# Altium PCB controller.PcbDoc (part 3 of 6) (continued)
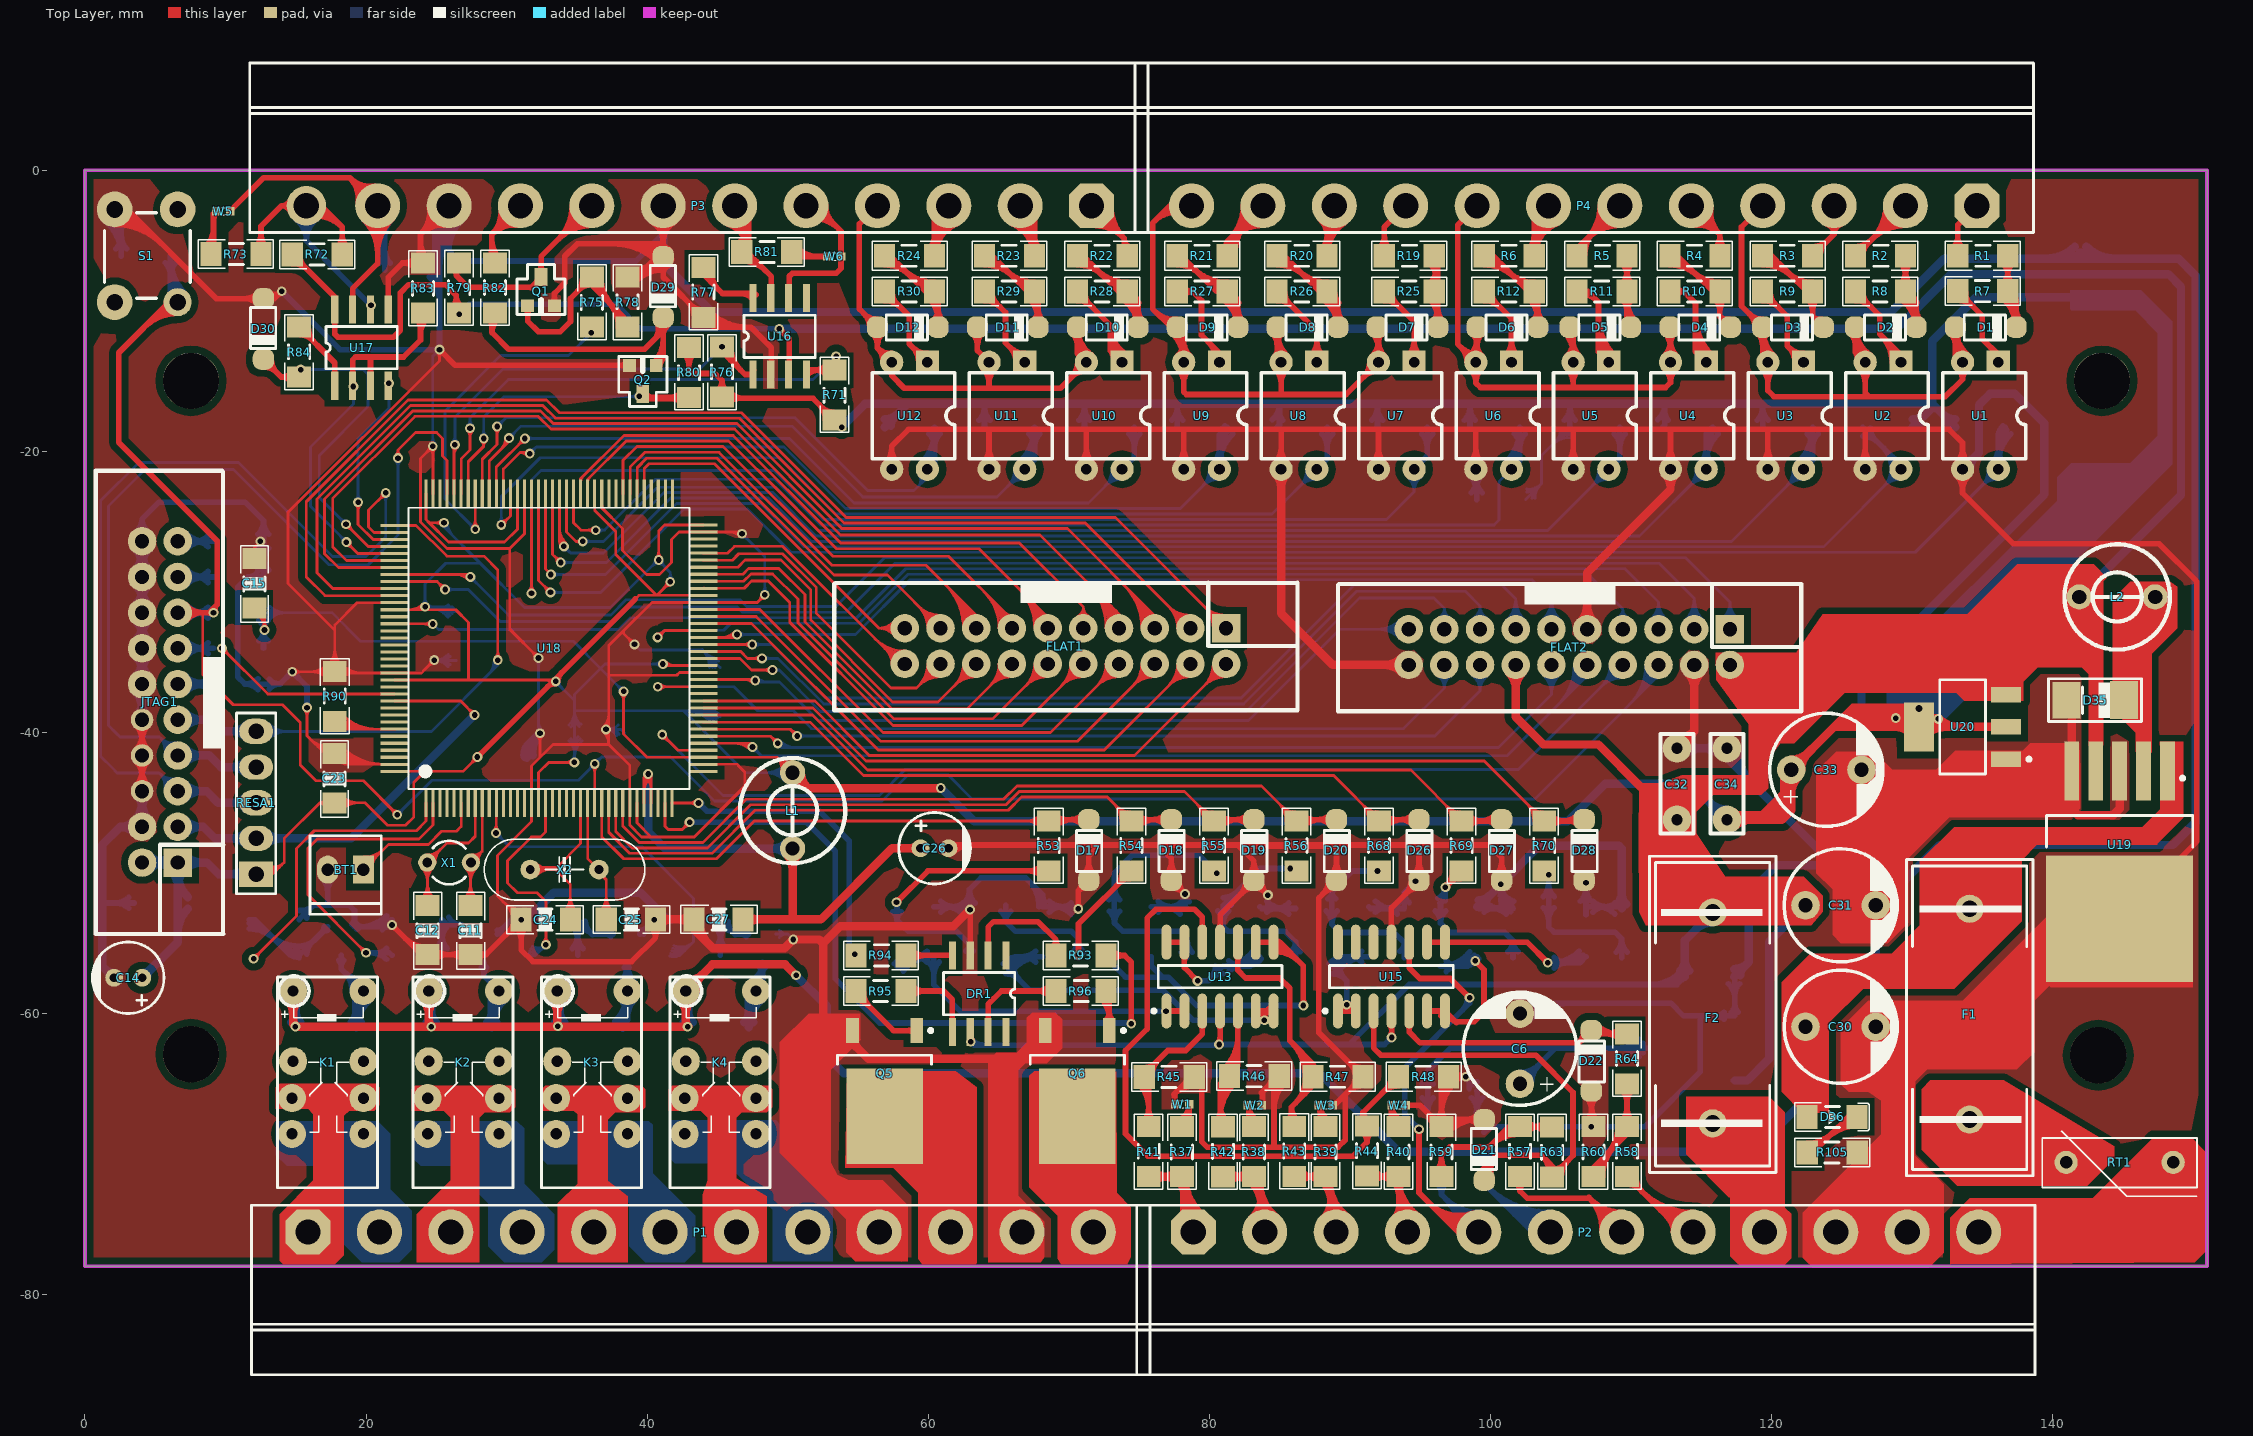
[diagram p0: Top Layer view]
## Nets (pads, with @x,y where several pads share a name; then routed paths per layer and width w, separated by ;. In a path a pad name is that pad's centre, name@x,y a point inside that pad or via, vN(x,y) a via of type N, cw(c..) or ccw(c..) an arc to the next point about the centre after c; other vN are vias at no path point) (continued)
  Top Layer w0.6: C24.2@30.825,-53.129 v1(31.036,-53.34) ; C25.2@40.592,-53.34 40.607,-53.325 C27.1@43.325,-53.325 43.417,-53.417 43.417,-54.117 44.675,-55.375 49.775,-55.375 v1(50.4,-54.75) 52.25,-54.75 52.525,-55.025 ; C25.2@40.91,-53.658 cw(c41.715,-54.463) 41.715,-53.325 ; C25.2@40.91,-53.022 ccw(c41.642,-52.29) 41.642,-53.325 ; C27.1@43.007,-53.643 ccw(c42.239,-54.411) 42.239,-53.325 ccw(c42.239,-52.239) C27.1@43.007,-53.007 ; C27.1@43.774,-53.458 ccw(c45.84,-53.61) 44.375,-55.075 ; 52.525,-60.725 52.525,-55.025 ; 54.15,-61.65 54.174,-61.674 55.725,-63.225 66.339,-63.225 Q6.3@68.332,-61.232 ; Q5.3@54.766,-61.882 ccw(c55.693,-61.882) 55.038,-62.538 ; v1(62.975,-52.625) 61.8,-53.8 53.75,-53.8 52.525,-55.025 ; Q6.3@67.998,-61.566 cw(c68.326,-61.894) Q6.3@68.548,-61.487 ; U8.3@84.741,-21.662 cw(c83.844,-22.559) 85.113,-22.559 cw(c86.382,-22.559) U8.3@85.485,-21.662 ; U8.3@85.113,-21.29 85.113,-31.538 88.79,-35.215 FLAT2.20@94.19,-35.215 ; FLAT2.20@93.684,-35.721 ccw(c92.461,-36.944) 92.461,-35.215 ccw(c92.461,-33.486) FLAT2.20@93.684,-34.709 ; FLAT2.9@106.384,-32.169 ccw(c105.161,-30.946) 106.89,-30.946 ccw(c108.619,-30.946) FLAT2.9@107.396,-32.169 ; FLAT2.9@106.89,-32.675 106.89,-28.66 112.822,-22.728 U4.3@112.822,-21.29 ; U4.3@112.451,-21.662 cw(c111.553,-22.559) 112.822,-22.559 cw(c114.091,-22.559) U4.3@113.194,-21.662 ; C32.1@113.284,-41.148 114.51,-39.922 FLAT2.4@114.51,-35.215 ; C32.1@113.284,-40.432 ccw(c113.284,-38.703) 114.506,-39.926 ccw(c115.729,-41.148) C32.1@114,-41.148 ; FLAT2.4@114.004,-35.721 cw(c112.781,-36.944) 114.51,-36.944 cw(c116.239,-36.944) FLAT2.4@115.016,-35.721 ; C33.2@126.412,-42.672 127.428,-43.688 ; C31.2@127.174,-52.324 C31.2@127.428,-52.324 127.428,-43.688 ; C30.2@127.428,-60.96 128.825,-62.357 128.825,-69.175 128.15,-69.85 126.873,-69.85 126.873,-69.9 126.873,-73.279 P2.10@124.587,-75.565 P2.11@129.667,-75.565 ; D35.1@141,-37.725 141.38,-38.105 D35.1@141.38,-38.145 ; U19.5@141.275,-41.924 U20.1@136.704,-41.924 134.601,-41.924 132.08,-44.445 132.08,-45.72 129.46,-45.72 127.428,-43.688 ; D35.1@141.475,-38.05 141.4,-38.125 D35.1@141.38,-38.145 ; U19.3@144.621,-44.51 cw(c144.237,-44.894) 144.78,-44.894 cw(c145.323,-44.894) U19.3@144.939,-44.51 ; U19.3@144.78,-44.394 U19.3@144.78,-42.776 144.78,-45.445 144.325,-45.9 141.8,-45.9 141.38,-45.48 U19.5@141.38,-42.776 D35.1@141.38,-38.145
  Bottom Layer w0.2: 1.225,-52.225 1.3,-52.15 ; v1(12.484,-26.416) R88.2@12.7,-26.416 ; 17.2,-52.3 17.272,-52.228 ; v1@24.573,-19.473 ccw(c24.146,-19.046) 24.75,-19.046 ccw(c25.354,-19.046) v1@24.927,-19.473 ; v1(24.75,-19.65) 24.75,-13.25 v1(25.225,-12.775) ; v1(24.85,-34.875) 24.825,-34.9 v1@24.85,-34.9 ; v1@24.975,-12.775 cw(c24.371,-12.775) 24.798,-13.202 cw(c25.225,-13.629) v1@25.225,-13.025 ; v1@25.027,-35.052 cw(c25.393,-35.418) 25.393,-34.9 ; v1@25.027,-34.698 ccw(c25.514,-34.211) 25.514,-34.9 ; C17.1@25.845,-35.339 ccw(c24.85,-36.248) v1@24.85,-34.9 ; C17.1@25.845,-34.461 cw(c24.85,-33.552) v1@24.85,-34.9 ; C17.1@25.993,-35.204 ccw(c25.304,-35.834) 25.304,-34.9 ccw(c25.304,-33.966) C17.1@25.993,-34.596 ; C17.1@26.425,-34.9 v1@24.85,-34.9 ; v1@32.098,-34.902 cw(c31.671,-35.329) 32.275,-35.329 cw(c32.879,-35.329) v1@32.452,-34.902 ; v1@32.198,-39.898 ccw(c32.013,-39.713) 32.275,-39.713 ccw(c32.737,-39.713) v1@32.41,-40.04 ; 32.275,-39.23 ccw(c33.22,-39.23) v1@32.552,-39.898 ; v1(32.275,-34.725) 32.275,-39.975 v1(32.375,-40.075) ; v1@37.193,-39.8 ccw(c37.193,-38.743) C18.1@37.94,-39.49 ; v1@37.252,-39.977 cw(c37.679,-40.404) 37.679,-39.8 cw(c37.679,-39.196) v1@37.252,-39.623 ; v1@37.406,-39.8 cw(c37.406,-40.473) C18.1@38.002,-40.16 ; C18.1@37.825,-40.253 ccw(c37.075,-40.647) v1(37.075,-39.8) 38.15,-39.8 C18.1@38.4,-40.05 ; v1(39.1,-33.75) 39.5,-34.15 43.95,-34.15 C16.1@45.2,-35.4 ; 43.92,-34.12 cw(c42.639,-35.4) C16.1@44.45,-35.4 ; 44.161,-34.361 ccw(c45.1,-33.422) C16.1@45.1,-34.75 ; 44.261,-34.461 cw(c43.322,-35.4) C16.1@44.65,-35.4 ; C16.1@44.503,-34.703 ccw(c45.1,-34.105) C16.1@45.1,-34.95 ; C16.1@44.603,-34.803 cw(c44.005,-35.4) C16.1@44.85,-35.4 ; v1@46.75,-26.125 cw(c46.75,-26.729) 47.177,-26.302 cw(c47.604,-25.875) v1@47,-25.875 ; v1(46.75,-25.875) 48.375,-27.5 v1(48.375,-30.225) ; v1@48.198,-30.048 ccw(c47.771,-29.621) 48.375,-29.621 ccw(c48.979,-29.621) v1@48.552,-30.048 ; Q10.2@49.149,-54.356 50.006,-54.356 ; Q10.2@49.403,-54.607 cw(c50.006,-55.205) 50.006,-54.356 ; Q10.2@49.403,-54.105 ccw(c50.006,-53.507) 50.006,-54.356 ; v1(50.4,-54.75) 50.006,-54.356 ; C22.1@98.968,-23.393 C22.1@99.025,-23.45
  Bottom Layer w0.4: 1.3,-52.15 C21.1@3.504,-52.15 ; S1.3@1.424,-3.618 cw(c-0.703,-6.129) C13.2@2.588,-6.129 ; S1.3@1.683,-3.313 cw(c0.028,-5.266) C13.2@2.588,-5.266 ; S1.3@1.941,-3.008 cw(c0.759,-4.403) 2.588,-4.403 ; S1.3@2.12,-2.567 2.236,-2.682 2.588,-3.035 C13.2@2.588,-6.096 ; C13.2@2.199,-5.607 ccw(c1.26,-4.668) 2.588,-4.668 ccw(c3.916,-4.668) C13.2@2.977,-5.607 ; 2.588,-4.246 cw(c3.56,-4.246) S1.3@2.873,-3.559 ; C21.1@3.115,-52.539 ccw(c2.176,-53.478) 2.176,-52.15 ccw(c2.176,-50.822) C21.1@3.115,-51.761 ; JTAG1.12@3.487,-35.999 ccw(c2.094,-34.606) 4.064,-34.606 ccw(c6.034,-34.606) JTAG1.12@4.641,-35.999 ; JTAG1.14@3.487,-34.613 cw(c2.094,-36.006) 4.064,-36.006 cw(c6.034,-36.006) JTAG1.14@4.641,-34.613 ; JTAG1.14@3.487,-33.459 ccw(c2.094,-32.066) 4.064,-32.066 ccw(c6.034,-32.066) JTAG1.14@4.641,-33.459 ; JTAG1.16@3.487,-32.073 cw(c2.094,-33.466) 4.064,-33.466 cw(c6.034,-33.466) JTAG1.16@4.641,-32.073 ; JTAG1.16@3.487,-30.919 ccw(c2.094,-29.526) 4.064,-29.526 ccw(c6.034,-29.526) JTAG1.16@4.641,-30.919 ; JTAG1.18@3.487,-29.533 cw(c2.094,-30.926) 4.064,-30.926 cw(c6.034,-30.926) JTAG1.18@4.641,-29.533 ; JTAG1.20@3.592,-25.751 ccw(c2.942,-24.836) 4.064,-24.836 ; JTAG1.12@4.064,-36.576 JTAG1.14@4.064,-34.036 JTAG1.16@4.064,-31.496 JTAG1.18@4.064,-28.956 ; JTAG1.20@4.064,-26.416 4.064,-24.836 ; JTAG1.20@4.536,-25.751 cw(c5.186,-24.836) 4.064,-24.836 ; R87.2@12.261,-29.288 ccw(c11.594,-29.793) 11.594,-28.956 ; R87.2@12.261,-28.624 cw(c11.594,-28.119) 11.594,-28.956 ; R86.2@12.31,-36.964 ccw(c11.376,-37.894) 11.376,-36.576 ; R86.2@12.31,-36.188 cw(c11.376,-35.258) 11.376,-36.576 ; R87.2@12.311,-28.467 ccw(c11.372,-27.528) 12.7,-27.528 ccw(c14.028,-27.528) R87.2@13.089,-28.467 ; R88.2@12.311,-26.905 cw(c11.372,-27.844) 12.7,-27.844 cw(c14.028,-27.844) R88.2@13.089,-26.905 ; R88.2@12.311,-25.927 ccw(c11.372,-24.988) 12.7,-24.988 ccw(c14.028,-24.988) R88.2@13.089,-25.927 ; R88.2@12.378,-26.522 cw(c11.6,-27.3) 12.7,-27.3 ; R88.2@12.378,-26.31 ccw(c11.6,-25.532) 12.7,-25.532 ; R86.2@13.123,-36.928 cw(c13.874,-37.554) 13.874,-36.576 ; R86.2@13.123,-36.224 ccw(c13.874,-35.598) 13.874,-36.576 ; v1@14,-8.775 cw(c14,-9.137) 14.256,-8.881 cw(c14.512,-8.625) v1@14.15,-8.625 ; v1(14,-8.625) 18.15,-12.775 v1(25.225,-12.775) 25.225,-7.112 P3.10@25.225,-3.223 ; v1@14.6,-35.7 cw(c14.238,-35.7) 14.494,-35.956 cw(c14.75,-36.212) 14.75,-35.85 cw(c14.75,-36.212) 15.006,-35.956 cw(c15.262,-35.7) v1@14.9,-35.7 ; R98.1@15.24,-53.34 16.28,-52.3 17.2,-52.3 17.272,-52.3 ; R98.1@15.267,-52.691 ccw(c15.333,-51.353) 16.28,-52.3 ; v1@15.694,-38.144 ccw(c15.438,-37.888) 15.8,-37.888 ccw(c16.162,-37.888) v1@15.906,-38.144 ; R98.1@15.79,-53.24 cw(c16.876,-53.24) 16.108,-52.472 ; v1(15.8,-38.25) 15.8,-36.75 v1(14.75,-35.7) 13.874,-36.576 ; BT1.2@16.883,-50.423 cw(c15.944,-51.362) 17.272,-51.362 cw(c18.6,-51.362) BT1.2@17.661,-50.423 ; BT1.2@17.272,-49.784 17.272,-52.228 17.272,-52.3 ; Q7.2@18.995,-53.666 ccw(c18.556,-53.227) 19.177,-53.227 ccw(c19.798,-53.227) 19.359,-53.666 ccw(c19.798,-53.227) 19.798,-53.848 ccw(c19.798,-54.469) Q7.2@19.359,-54.03 ; Q7.2@19.531,-53.848 ccw(c19.531,-51.127) R100.1@21.455,-53.051 ; 20.497,-53.848 ccw(c20.497,-52.093) R100.1@21.738,-53.334 ; R100.1@21.147,-54.037 cw(c21.625,-54.516) R100.1@21.804,-53.864 ; R100.1@21.17,-53.848 ccw(c21.17,-53.045) R100.1@21.738,-53.613 ; R100.1@21.717,-53.639 cw(c21.336,-53.396) R100.1@21.336,-53.848 ; v1(21.844,-53.719) R100.1@21.844,-53.34 21.655,-53.529 R100.1@21.336,-53.848 ; R74.1@24.503,-7.601 cw(c22.76,-9.344) 25.225,-9.344 ; R74.1@24.786,-7.318 cw(c23.726,-8.378) 25.225,-8.378 ; R74.1@24.786,-6.906 ccw(c23.726,-5.846) 25.225,-5.846 ; R74.1@24.892,-7.223 cw(c29.239,-7.223) P3.10@26.719,-3.681 ; R74.1@24.892,-7.112 P3.10@24.892,-3.556 ; R74.1@24.892,-6.448 cw(c28.688,-6.448) P3.10@26.488,-3.355 ; 24.892,-5.673 cw(c28.136,-5.673) P3.10@26.256,-3.029 ; 24.892,-4.897 cw(c27.585,-4.897) P3.10@26.024,-2.703 ; 24.892,-4.122 cw(c27.033,-4.122) P3.10@25.792,-2.377 ; P3.10@24.918,-3.53 cw(c24.177,-4.271) 25.225,-4.271 ; P3.10@24.96,-3.57 cw(c22.967,-5.733) 25.908,-5.733 ; v1@25.119,-12.881 ccw(c24.863,-13.137) 24.863,-12.775 ccw(c24.863,-12.413) 25.119,-12.669 ccw(c24.863,-12.413) 25.225,-12.413 ccw(c25.587,-12.413) v1@25.331,-12.669 ; R74.1@25.225,-7.162 cw(c29.995,-7.162) P3.10@26.835,-3.589 ; R74.1@25.225,-6.275 cw(c29.211,-6.275) P3.10@26.57,-3.289 ; 25.225,-5.387 cw(c28.426,-5.387) P3.10@26.305,-2.989 ; 25.225,-4.88 cw(c22.76,-4.88) 24.503,-6.623 ccw(c23.564,-5.684) 24.892,-5.684 ccw(c26.22,-5.684) R74.1@25.281,-6.623 ; 25.225,-4.5 cw(c27.641,-4.5) P3.10@26.04,-2.69 ; P3.10@25.231,-3.276 cw(c23.807,-4.821) 25.908,-4.821 cw(c28.009,-4.821) P3.10@26.585,-3.276 ; P3.10@25.908,-2.54 25.908,-5.733 ; P3.10@26.856,-3.57 ccw(c28.849,-5.733) 25.908,-5.733 ; Q8.2@29.337,-54.356 30.353,-53.34 ; Q8.2@29.337,-54.099 ccw(c29.337,-53.478) 29.776,-53.917 ccw(c30.215,-54.356) Q8.2@29.594,-54.356 ; R102.1@31.066,-53.683 ccw(c30.353,-54.253) 30.353,-53.34 ; R102.1@31.066,-52.997 cw(c30.353,-52.427) 30.353,-53.34 ; R102.1@31.496,-53.34 v1(31.036,-53.34) 30.353,-53.34 ; R102.1@31.496,-52.69 ccw(c31.496,-51.121) 32.606,-52.23 ; R102.1@32.046,-53.24 cw(c33.132,-53.24) 32.364,-52.472 ; Q9.2@39.497,-54.356 v1(40.513,-53.34) ; Q9.2@39.497,-54.099 ccw(c39.497,-53.478) 39.936,-53.917 ccw(c40.375,-54.356) Q9.2@39.754,-54.356 ; 41.148,-4.527 39.2,-6.475 26.65,-6.475 25.908,-5.733 ; R104.1@41.226,-53.683 ccw(c40.513,-54.253) v1(40.513,-53.34) ; R104.1@41.226,-52.997 cw(c40.513,-52.427) v1(40.513,-53.34) ; R104.1@41.45,-53.34 v1(40.513,-53.34) ; R49.1@60.402,-52.411 62.803,-52.411 C1.2@62.939,-52.547 ; R49.1@60.891,-52.8 cw(c61.83,-53.739) 61.83,-52.411 cw(c61.83,-51.084) R49.1@60.891,-52.022 ; R49.1@61.183,-52.411 cw(c61.183,-54.204) C1.2@62.45,-52.936 ; 61.84,-52.411 ccw(c61.84,-51.548) C1.2@62.45,-52.158 ; C1.2@62.097,-52.411 cw(c62.097,-53.503) C1.2@62.869,-52.731 ; C1.2@62.55,-52.158 ccw(c61.612,-51.22) 62.939,-51.22 ccw(c64.267,-51.22) C1.2@63.328,-52.158 ; C1.2@62.939,-52.177 ccw(c63.423,-52.177) C1.2@63.081,-52.519 ; C1.2@62.996,-52.604 C1.2@62.939,-52.547 ; 67.142,-50.567 cw(c65.343,-52.366) R50.1@67.887,-52.409 ; 67.809,-51.234 cw(c66.655,-52.388) R50.1@68.287,-52.416 ; R50.1@68.626,-52.8 cw(c69.565,-53.739) 69.565,-52.411 cw(c69.565,-51.084) R50.1@68.626,-52.022 ; R50.1@68.918,-52.411 cw(c68.918,-54.204) C2.2@70.185,-52.936 ; 69.575,-52.411 ccw(c69.575,-51.548) C2.2@70.185,-52.158 ; C2.2@69.918,-52.411 cw(c69.918,-53.332) C2.2@70.569,-52.681 ; C2.2@70.674,-52.547 70.538,-52.411 R50.1@68.137,-52.411 68.137,-51.562 66.95,-50.375 63.75,-50.375 62.939,-51.186 C1.2@62.939,-52.547 ; R51.1@75.871,-52.411 C3.2@78.273,-52.411 ; R51.1@76.36,-52.8 cw(c77.299,-53.739) 77.299,-52.411 cw(c77.299,-51.084) R51.1@76.36,-52.022 ; R51.1@76.652,-52.411 cw(c76.652,-54.204) C3.2@77.92,-52.936 ; 77.309,-52.411 ccw(c77.309,-51.548) C3.2@77.92,-52.158 ; C3.2@77.978,-52.108 ccw(c77.535,-51.518) v1(78.273,-51.518) ; v1@78.167,-51.624 cw(c77.91,-51.88) 78.273,-51.88 cw(c78.635,-51.88) v1@78.379,-51.624 ; C3.2@78.409,-52.547 C3.2@78.273,-52.411 ; C3.2@78.589,-52.075 cw(c78.92,-51.518) v1(78.273,-51.518) ; R52.1@83.606,-52.411 83.742,-52.547 R52.1@84.175,-52.547 ; R52.1@84.069,-51.703 cw(c83.813,-51.959) 84.175,-51.959 cw(c84.537,-51.959) R52.1@84.281,-51.703 ; R52.1@84.095,-52.8 cw(c84.705,-53.411) 84.705,-52.547 ; R52.1@84.095,-52.022 ccw(c85.362,-50.755) C4.2@85.362,-52.547 ; v1(84.175,-51.597) 84.175,-52.411 R52.1@84.175,-52.547 ; C4.2@85.654,-52.936 ccw(c84.715,-53.875) 84.715,-52.547 ccw(c84.715,-51.22) C4.2@85.654,-52.158 ; C4.2@86.143,-52.547 R52.1@84.175,-52.547 ; R65.1@91.341,-52.411 91.477,-52.547 C8.2@93.878,-52.547 93.878,-51.397 ; R65.1@91.829,-52.8 cw(c92.44,-53.411) 92.44,-52.547 ; R65.1@91.829,-52.022 ccw(c93.097,-50.755) C8.2@93.097,-52.547 ; C8.2@93.389,-52.936 ccw(c92.45,-53.875) 92.45,-52.547 ccw(c92.45,-51.22) C8.2@93.389,-52.158 ; C8.2@93.533,-52.119 ccw(c92.95,-51.397) 93.878,-51.397 ; C8.2@94.223,-52.119 cw(c94.805,-51.397) 93.878,-51.397 ; v1@94.525,-50.6 cw(c94.163,-50.6) 94.419,-50.856 cw(c94.675,-51.112) v1@94.675,-50.75 ; v1(94.675,-50.6) 93.878,-51.397 ; v1@98.201,-64.451 cw(c97.439,-65.213) C5.1@98.507,-65.358 ; v1@98.266,-64.666 cw(c98.266,-65.028) 98.522,-64.772 cw(c98.778,-64.516) v1@98.416,-64.516 ; v1(98.266,-64.516) C5.1@98.85,-65.1 ; v1@98.335,-64.585 ccw(c99.052,-63.868) C5.1@99.052,-64.882 ; U6.3@98.525,-21.732 cw(c97.319,-22.939) C22.1@99.025,-22.939 ; C22.1@98.636,-22.961 ccw(c97.697,-22.022) 99.025,-22.022 ccw(c100.353,-22.022) C22.1@99.414,-22.961 ; C5.1@98.663,-66.021 cw(c97.705,-66.979) 99.06,-66.979 ; R62.1@98.671,-67.683 ccw(c97.732,-66.744) 99.06,-66.744 ccw(c100.388,-66.744) R62.1@99.449,-67.683 ; U6.3@98.968,-21.29 99.025,-21.347 C22.1@99.025,-23.45 ; C22.1@99.025,-22.662 cw(c100.339,-22.662) U6.3@99.41,-21.732 ; C5.1@99.052,-65.532 99.06,-65.54 R62.1@99.06,-68.072 v1@107.188,-68.072 ; 99.06,-66.94 cw(c100.36,-66.94) C5.1@99.441,-66.021 ; R66.1@99.075,-52.411 99.211,-52.547 C9.2@101.612,-52.547 100.75,-51.685 v1(100.75,-50.825) ccw(c101.986,-50.825) C9.2@101.658,-52.017 ; R62.1@99.549,-68.461 cw(c100.488,-69.4) 100.488,-68.072 cw(c100.488,-66.744) R62.1@99.549,-67.683 ; R66.1@99.564,-52.8 cw(c100.175,-53.411) 100.175,-52.547 ; R66.1@99.564,-52.022 ccw(c100.831,-50.755) C9.2@100.831,-52.547 ; v1@100.644,-50.931 cw(c100.388,-51.187) 100.75,-51.187 cw(c101.112,-51.187) v1@100.856,-50.931 ; 100.7,-51.635 cw(c100.022,-52.313) C9.2@100.969,-52.462 ; 100.744,-51.679 ccw(c101.512,-50.911) C9.2@101.512,-51.997 ; 100.75,-51.875 ccw(c101.697,-51.875) C9.2@101.446,-52.788 ; 100.75,-51.35 ccw(c101.842,-51.35) C9.2@101.552,-52.403 ; C9.2@101.123,-52.936 ccw(c100.185,-53.875) 100.185,-52.547 ccw(c100.185,-51.22) C9.2@101.123,-52.158 ; C6.2@101.836,-59.752 cw(c102.989,-60.905) 102.989,-59.275 ; C6.2@102.108,-60.024 102.857,-59.275 112.85,-59.275 113.759,-60.184 114.95,-60.184 ; C6.2@102.119,-60.035 cw(c103.955,-61.871) 103.955,-59.275 ; C6.2@102.402,-60.318 cw(c104.921,-62.837) 104.921,-59.275 ; C6.2@102.685,-60.601 cw(c105.886,-63.802) 105.886,-59.275 ; R67.1@106.421,-52.022 ccw(c105.482,-51.084) 106.81,-51.084 ccw(c108.138,-51.084) R67.1@107.199,-52.022 ; v1@106.704,-50.816 cw(c106.448,-51.072) 106.81,-51.072 cw(c107.172,-51.072) v1@106.916,-50.816 ; R67.1@106.81,-52.99 R67.1@106.81,-52.411 ; v1(106.81,-50.71) R67.1@106.81,-52.411 ; 106.819,-68.072 ccw(c106.819,-67.693) v1@107.087,-67.961 ; v1(107.193,-68.067) v1@107.188,-68.072 ; v1@107.299,-67.961 ccw(c107.567,-67.693) 107.567,-68.072 ; R67.1@107.299,-52.8 cw(c108.238,-53.739) 108.238,-52.411 cw(c108.238,-51.084) R67.1@107.299,-52.022 ; R67.1@107.591,-52.411 cw(c107.591,-54.204) C10.2@108.858,-52.936 ; 108.248,-52.411 ccw(c108.248,-51.548) C10.2@108.858,-52.158 ; C10.2@109.347,-52.547 109.211,-52.411 R67.1@106.81,-52.411 ; U14.1@116.628,-60.431 ccw(c116.03,-61.029) 116.03,-60.184 ccw(c116.03,-59.339) U14.1@116.628,-59.937 ; C7.1@116.951,-57.893 cw(c115.867,-58.977) 117.4,-58.977 ; U14.1@117.153,-59.937 ccw(c116.555,-59.339) 117.4,-59.339 ccw(c118.245,-59.339) U14.1@117.647,-59.937 ; C7.1@117.34,-57.404 117.4,-57.464 U14.1@117.4,-60.184 114.95,-60.184 ; 117.4,-58.687 cw(c118.523,-58.687) C7.1@117.729,-57.893 ; 4.064,-24.836 5.275,-23.625 11.375,-23.625 12.7,-24.95 R88.2@12.7,-26.416 R87.2@12.7,-28.956 11.594,-28.956 ; 11.376,-36.576 R86.2@12.7,-36.576 13.874,-36.576 ; 11.376,-36.576 10.875,-36.075 10.875,-29.675 11.594,-28.956 ; 17.272,-52.3 18.8,-52.3 19.177,-52.677 Q7.2@19.177,-53.848 R100.1@21.336,-53.848 ; C3.2@78.273,-52.411 v1(78.273,-51.518) ; v1@107.188,-68.072 107.193,-68.072 111.028,-68.072 114.95,-64.15 114.95,-60.184
  Bottom Layer w0.6: C14.2@1.74,-57.475 ccw(c0.931,-57.475) 1.503,-56.903 ccw(c2.075,-56.331) C14.2@2.075,-57.14 ; C14.2@2.075,-57.475 1.225,-56.625 1.225,-52.225 1.225,-48.025 2.514,-46.736 ; JTAG1.4@3.519,-47.2 ccw(c2.514,-48.056) 2.514,-46.736 ; JTAG1.4@3.519,-46.272 cw(c2.514,-45.416) 2.514,-46.736 ; JTAG1.4@3.558,-46.23 ccw(c2.335,-45.007) 4.064,-45.007 ccw(c5.793,-45.007) JTAG1.4@4.57,-46.23 ; JTAG1.12@3.558,-37.082 cw(c2.335,-38.305) 4.064,-38.305 cw(c5.793,-38.305) JTAG1.12@4.57,-37.082 ; JTAG1.18@3.558,-28.45 ccw(c2.335,-27.227) 4.064,-27.227 ccw(c5.793,-27.227) JTAG1.18@4.57,-28.45 ; JTAG1.20@3.558,-26.922 cw(c2.335,-28.145) 4.064,-28.145 cw(c5.793,-28.145) JTAG1.20@4.57,-26.922 ; JTAG1.6@3.71,-44.55 cw(c2.857,-45.403) 4.064,-45.403 cw(c5.271,-45.403) JTAG1.6@4.418,-44.55 ; JTAG1.10@3.71,-38.762 ccw(c2.857,-37.909) 4.064,-37.909 ccw(c5.271,-37.909) JTAG1.10@4.418,-38.762 ; JTAG1.6@4.064,-44.196 JTAG1.4@4.064,-46.736 2.514,-46.736 ; JTAG1.10@4.064,-39.116 JTAG1.12@4.064,-36.576 ; JTAG1.18@4.064,-28.956 JTAG1.20@4.064,-26.416 ; C19.1@31.277,-41.75 cw(c32.239,-41.59) 31.55,-40.9 ; C19.1@31.425,-41.825 31.425,-41.025 v1(32.375,-40.075) ccw(c33.655,-41.355) C19.1@31.869,-41.651 ; R102.1@31.496,-53.34 31.496,-53.279 33.35,-51.425 39.535,-51.425 41.45,-53.34 R104.1@41.656,-53.34 ; P3.7@40.627,-3.731 cw(c40.28,-4.527) 41.148,-4.527 cw(c42.016,-4.527) P3.7@41.669,-3.731 ; P3.7@41.148,-2.54 41.148,-4.527 41.148,-6.648 44.6,-10.1 128.5,-10.1 132.3,-6.3 142,-6.3 148.975,-6.3 150.2,-7.525 150.2,-46.4 148.575,-48.025 131.978,-48.025 127.679,-52.324 C31.2@127.428,-52.324 ; R66.1@99.075,-52.411 99.164,-52.411 v1(100.75,-50.825) 103.5,-48.075 109.145,-48.075 109.347,-48.277 C10.2@109.347,-52.547 ; R66.1@99.175,-51.961 ccw(c99.175,-50.903) 99.924,-51.651 ; R66.1@99.625,-52.411 cw(c100.74,-52.411) 99.952,-51.623 ; C10.2@109.029,-52.229 ccw(c108.261,-51.461) 109.347,-51.461 ccw(c110.433,-51.461) C10.2@109.665,-52.229 ; C32.1@113.284,-41.148 C34.1@116.84,-41.148 116.84,-41.834 124.481,-49.475 ; C32.1@113.79,-41.654 cw(c115.013,-42.877) 115.013,-41.148 cw(c115.013,-39.419) C32.1@113.79,-40.642 ; C34.1@116.334,-41.654 ccw(c115.111,-42.877) 115.111,-41.148 ccw(c115.111,-39.419) C34.1@116.334,-40.642 ; C34.1@116.956,-41.148 ccw(c118.892,-41.148) 117.523,-42.517 ; C7.1@117.34,-57.404 118.4,-56.344 118.4,-51.45 120.375,-49.475 124.481,-49.475 ; C7.1@117.34,-56.854 ccw(c117.34,-55.526) 118.279,-56.465 ; C34.1@117.556,-41.148 ccw(c120.941,-41.148) 118.547,-43.541 ; C7.1@117.79,-57.304 cw(c118.635,-57.304) C7.1@118.037,-56.707 ; C33.2@125.906,-42.166 ccw(c124.683,-40.943) 126.412,-40.943 ccw(c128.141,-40.943) C33.2@126.918,-42.166 ; C30.2@126.922,-60.454 ccw(c125.699,-59.231) 127.428,-59.231 ccw(c129.157,-59.231) C30.2@127.934,-60.454 ; C31.2@126.922,-52.83 cw(c125.699,-54.053) 127.428,-54.053 cw(c129.157,-54.053) C31.2@127.934,-52.83 ; C31.2@126.922,-51.818 ccw(c125.699,-50.595) 127.428,-50.595 ccw(c129.157,-50.595) C31.2@127.934,-51.818 ; C30.2@127.428,-60.96 C31.2@127.428,-52.324 ; C31.2@127.428,-51.608 ccw(c127.428,-49.273) 129.079,-50.924 ; C31.2@128.144,-52.324 cw(c129.267,-52.324) 128.473,-51.53 ; U1.3@133.604,-21.29 134.775,-20.119 134.775,-16.7 135.55,-15.925 137.325,-15.925 139.425,-18.025 139.425,-23.075 126.412,-36.088 C33.2@126.412,-42.672 127.428,-43.688 127.428,-49.475 ; U1.3@133.604,-20.765 ccw(c133.604,-19.496) 134.501,-20.393 ccw(c135.398,-21.29) U1.3@134.129,-21.29 ; 139.546,-6.3 ccw(c139.546,-3.421) C20.1@141.582,-5.457 ; 140.995,-6.3 ccw(c140.995,-4.87) C20.1@142.006,-5.881 ; C20.1@141.994,-5.881 ccw(c143.005,-4.87) 143.005,-6.3 ; C20.1@142.418,-5.457 ccw(c144.454,-3.421) 144.454,-6.3 ; 124.481,-49.475 127.428,-49.475 ; C31.2@127.428,-52.324 127.428,-49.475
GND-ISO1: D1.1 D2.1 D3.1 P4.4 U1.2 U2.2 U3.2 | length 67.1
  Top Layer w0.4: 118.421,-10.217 ccw(c119.38,-9.257) D3.1@119.38,-10.614 ; 118.45,-10.246 cw(c117.531,-11.164) D3.1@118.83,-11.164 ; D3.1@118.991,-11.577 cw(c118.052,-12.516) 119.38,-12.516 cw(c120.708,-12.516) D3.1@119.769,-11.577 ; U3.2@119.307,-14.112 cw(c118.239,-15.18) 119.749,-15.18 cw(c121.26,-15.18) U3.2@120.192,-14.112 ; 119.38,-12.234 ccw(c121.186,-12.234) U3.2@119.909,-13.511 ; D3.1@119.38,-11.268 ccw(c122.151,-11.268) U3.2@120.192,-13.228 ; P4.4@119.38,-2.54 117.875,-4.045 117.875,-9.671 D3.1@119.38,-11.176 119.38,-13.301 U3.2@119.749,-13.67 119.749,-15.699 120.175,-16.125 126.925,-16.125 ; D2.1@125.595,-11.577 cw(c124.656,-12.516) 125.984,-12.516 cw(c127.312,-12.516) D2.1@126.373,-11.577 ; 125.984,-12.69 ccw(c127.345,-12.69) U2.2@126.578,-13.814 ; D2.1@125.984,-11.933 ccw(c127.861,-11.933) U2.2@126.804,-13.484 ; U2.2@126.234,-14.112 cw(c125.167,-15.18) 126.677,-15.18 cw(c128.187,-15.18) U2.2@127.119,-14.112 ; U2.2@127.029,-13.153 cw(c128.377,-11.176) D2.1@125.984,-11.176 125.984,-12.977 U2.2@126.677,-13.67 126.677,-15.877 126.925,-16.125 ; D1.1@132.707,-11.577 cw(c131.768,-12.516) 133.096,-12.516 cw(c134.424,-12.516) D1.1@133.485,-11.577 ; 133.096,-12.936 ccw(c134.244,-12.936) U1.2@133.489,-13.802 ; 133.096,-12.056 ccw(c135.013,-12.056) U1.2@133.752,-13.5 ; U1.2@133.237,-14.177 cw(c132.715,-14.896) 133.604,-14.896 ; U1.2@133.971,-14.177 ccw(c134.492,-14.896) 133.604,-14.896 ; U1.2@134.015,-13.199 cw(c135.781,-11.176) D1.1@133.096,-11.176 133.096,-13.162 U1.2@133.604,-13.67 133.604,-14.896 ; 126.925,-16.125 132.375,-16.125 133.604,-14.896
GND-ISO2: D4.1 D5.1 D6.1 P4.8 U4.2 U5.2 U6.2 | length 62.3
  Top Layer w0.4: U6.2@98.342,-13.67 ccw(c96.832,-13.67) 97.9,-12.602 ccw(c98.968,-11.535) U6.2@98.968,-13.045 ; U6.2@98.525,-13.228 ccw(c97.235,-11.937) D6.1@99.06,-11.937 ; U6.2@98.533,-14.12 cw(c97.547,-15.143) 98.968,-15.143 ; D6.1@98.671,-11.577 cw(c97.732,-12.516) 99.06,-12.516 cw(c100.388,-12.516) D6.1@99.449,-11.577 ; 99.06,-12.383 ccw(c100.255,-12.383) U6.2@99.41,-13.228 ; D6.1@99.06,-11.176 99.06,-13.578 U6.2@98.968,-13.67 ; P4.8@99.06,-2.54 97.675,-3.925 97.675,-12.377 U6.2@98.968,-13.67 ; U6.2@99.402,-14.12 ccw(c100.388,-15.143) 98.968,-15.143 ; D5.1@105.275,-11.577 cw(c103.779,-13.073) U5.2@105.895,-13.073 ; U5.2@105.453,-14.112 cw(c104.385,-15.18) 105.895,-15.18 cw(c107.405,-15.18) U5.2@106.337,-14.112 ; U5.2@105.453,-13.228 ccw(c104.385,-12.16) 105.895,-12.16 ccw(c107.405,-12.16) U5.2@106.337,-13.228 ; D5.1@105.558,-11.294 cw(c104.744,-12.108) 105.895,-12.108 ; D5.1@105.664,-11.176 105.895,-11.407 U5.2@105.895,-13.67 105.895,-15.38 105.8,-15.475 ; 105.895,-11.958 cw(c106.434,-11.958) D5.1@106.053,-11.577 ; U4.2@112.38,-13.228 ccw(c111.312,-12.16) 112.822,-12.16 ccw(c114.332,-12.16) U4.2@113.264,-13.228 ; D4.1@112.387,-11.577 cw(c111.337,-12.627) 112.822,-12.627 ; U4.2@112.391,-14.123 cw(c111.436,-15.128) 112.822,-15.128 ; D4.1@112.776,-11.176 112.822,-11.222 U4.2@112.822,-13.67 112.822,-15.128 ; 112.822,-12.404 cw(c113.992,-12.404) D4.1@113.165,-11.577 ; U4.2@113.253,-14.123 ccw(c114.208,-15.128) 112.822,-15.128 ; 98.968,-15.143 U6.2@98.968,-13.67 ; 98.968,-15.143 99.3,-15.475 105.8,-15.475 ; 105.8,-15.475 112.475,-15.475 112.822,-15.128
GND-ISO3: D7.1 D8.1 D9.1 P4.12 U7.2 U8.2 U9.2 | length 71.7
  Top Layer w0.4: 76.101,-3.649 cw(c77.748,-5.295) P4.12@78.537,-3.104 ; 76.205,-10.105 ccw(c77.468,-8.842) D9.1@77.664,-10.617 ; 76.547,-3.203 cw(c77.984,-4.64) P4.12@78.672,-2.728 ; 76.794,-10.694 ccw(c77.585,-9.903) D9.1@77.708,-11.015 ; 76.993,-2.757 cw(c78.22,-3.985) P4.12@78.808,-2.352 ; D9.1@77.335,-11.577 cw(c75.281,-13.631) U9.2@78.186,-13.631 ; D9.1@77.618,-11.294 cw(c76.247,-12.665) 78.186,-12.665 ; U9.2@77.744,-14.112 cw(c76.676,-15.18) 78.186,-15.18 cw(c79.696,-15.18) U9.2@78.628,-14.112 ; U9.2@77.744,-13.228 ccw(c76.676,-12.16) 78.186,-12.16 ccw(c79.696,-12.16) U9.2@78.628,-13.228 ; P4.12@78.74,-2.54 77.21,-2.54 75.975,-3.775 75.975,-9.875 77.276,-11.176 D9.1@77.724,-11.176 78.186,-11.638 U9.2@78.186,-13.67 78.186,-15.786 78.375,-15.975 85.05,-15.975 ; D8.1@84.447,-11.577 cw(c83.508,-12.516) 84.836,-12.516 cw(c86.164,-12.516) D8.1@85.225,-11.577 ; U8.2@84.671,-14.112 cw(c83.603,-15.18) 85.113,-15.18 cw(c86.623,-15.18) U8.2@85.555,-14.112 ; U8.2@84.671,-13.228 ccw(c84.272,-12.829) 84.836,-12.829 ; 84.836,-12.457 ccw(c86.326,-12.457) U8.2@85.273,-13.511 ; D8.1@84.836,-11.491 ccw(c87.292,-11.491) U8.2@85.555,-13.228 ; D8.1@84.836,-11.176 84.836,-13.393 U8.2@85.113,-13.67 85.113,-15.912 85.05,-15.975 ; U7.2@91.415,-13.67 cw(c89.905,-13.67) 90.973,-14.738 cw(c92.04,-15.806) U7.2@92.04,-14.296 ; D7.1@91.559,-11.577 cw(c90.397,-12.739) 92.04,-12.739 ; U7.2@91.598,-13.228 ccw(c90.53,-12.16) 92.04,-12.16 ccw(c93.55,-12.16) U7.2@92.483,-13.228 ; D7.1@91.948,-11.176 92.04,-11.268 U7.2@92.04,-13.67 89.735,-15.975 85.05,-15.975 ; 92.04,-12.293 cw(c93.053,-12.293) D7.1@92.337,-11.577
GND-ISO4: D10.1 D11.1 D12.1 P3.4 U10.2 U11.2 U12.2 | length 58.7
  Top Layer w0.4: 55.429,-10.217 ccw(c56.388,-9.257) D12.1@56.388,-10.614 ; 55.458,-10.246 cw(c54.539,-11.164) D12.1@55.838,-11.164 ; D12.1@55.999,-11.577 cw(c55.06,-12.516) 56.388,-12.516 cw(c57.716,-12.516) D12.1@56.777,-11.577 ; P3.4@56.388,-2.54 55.1,-3.828 55.1,-9.888 D12.1@56.388,-11.176 56.388,-12.654 ; U12.2@56.779,-13.648 ccw(c55.442,-13.6) 56.388,-12.654 ; U12.2@57.382,-13.045 cw(c57.334,-11.708) 56.388,-12.654 ; D11.1@63.111,-11.577 cw(c62.172,-12.516) 63.5,-12.516 cw(c64.828,-12.516) D11.1@63.889,-11.577 ; D11.1@63.5,-11.176 63.5,-12.839 U11.2@64.331,-13.67 64.331,-15.394 64.2,-15.525 ; U11.2@63.889,-14.112 cw(c62.821,-15.18) 64.331,-15.18 cw(c65.841,-15.18) U11.2@64.774,-14.112 ; D10.1@70.223,-11.577 cw(c69.284,-12.516) 70.612,-12.516 cw(c71.94,-12.516) D10.1@71.001,-11.577 ; 70.612,-12.745 ccw(c71.93,-12.745) U10.2@71.156,-13.811 ; 70.612,-11.96 ccw(c72.499,-11.96) U10.2@71.391,-13.488 ; U10.2@70.633,-13.67 cw(c69.123,-13.67) 70.191,-14.738 cw(c71.259,-15.806) U10.2@71.259,-14.296 ; U10.2@71.626,-13.164 cw(c73.067,-11.176) D10.1@70.612,-11.176 70.612,-13.024 U10.2@71.259,-13.67 69.404,-15.525 64.2,-15.525 ; 56.388,-12.654 U12.2@57.404,-13.67 57.404,-14.629 ; 57.404,-14.629 ccw(c56.982,-14.629) 57.152,-14.243 cw(c56.982,-14.629) 57.404,-14.629 ; 57.404,-14.629 cw(c57.826,-14.629) 57.656,-14.243 ccw(c57.826,-14.629) 57.404,-14.629 ; 57.404,-14.629 58.3,-15.525 64.2,-15.525